# Altium PCB DC_DC_Buck_Controlled_PCB.PcbDoc (part 2 of 2)
Units mil, origin at the board's own origin, x right, y up, seen from the top; angles counter-clockwise.
Board outline 7880.45 x 7885.44 mil, 4 copper layers (Top Layer, Power, GND, Bottom Layer), stack 23.756 mil thick; 187 components, 75 nets, 547 pads, 165 vias.
Unrouted connection lines stored in the file: 1.
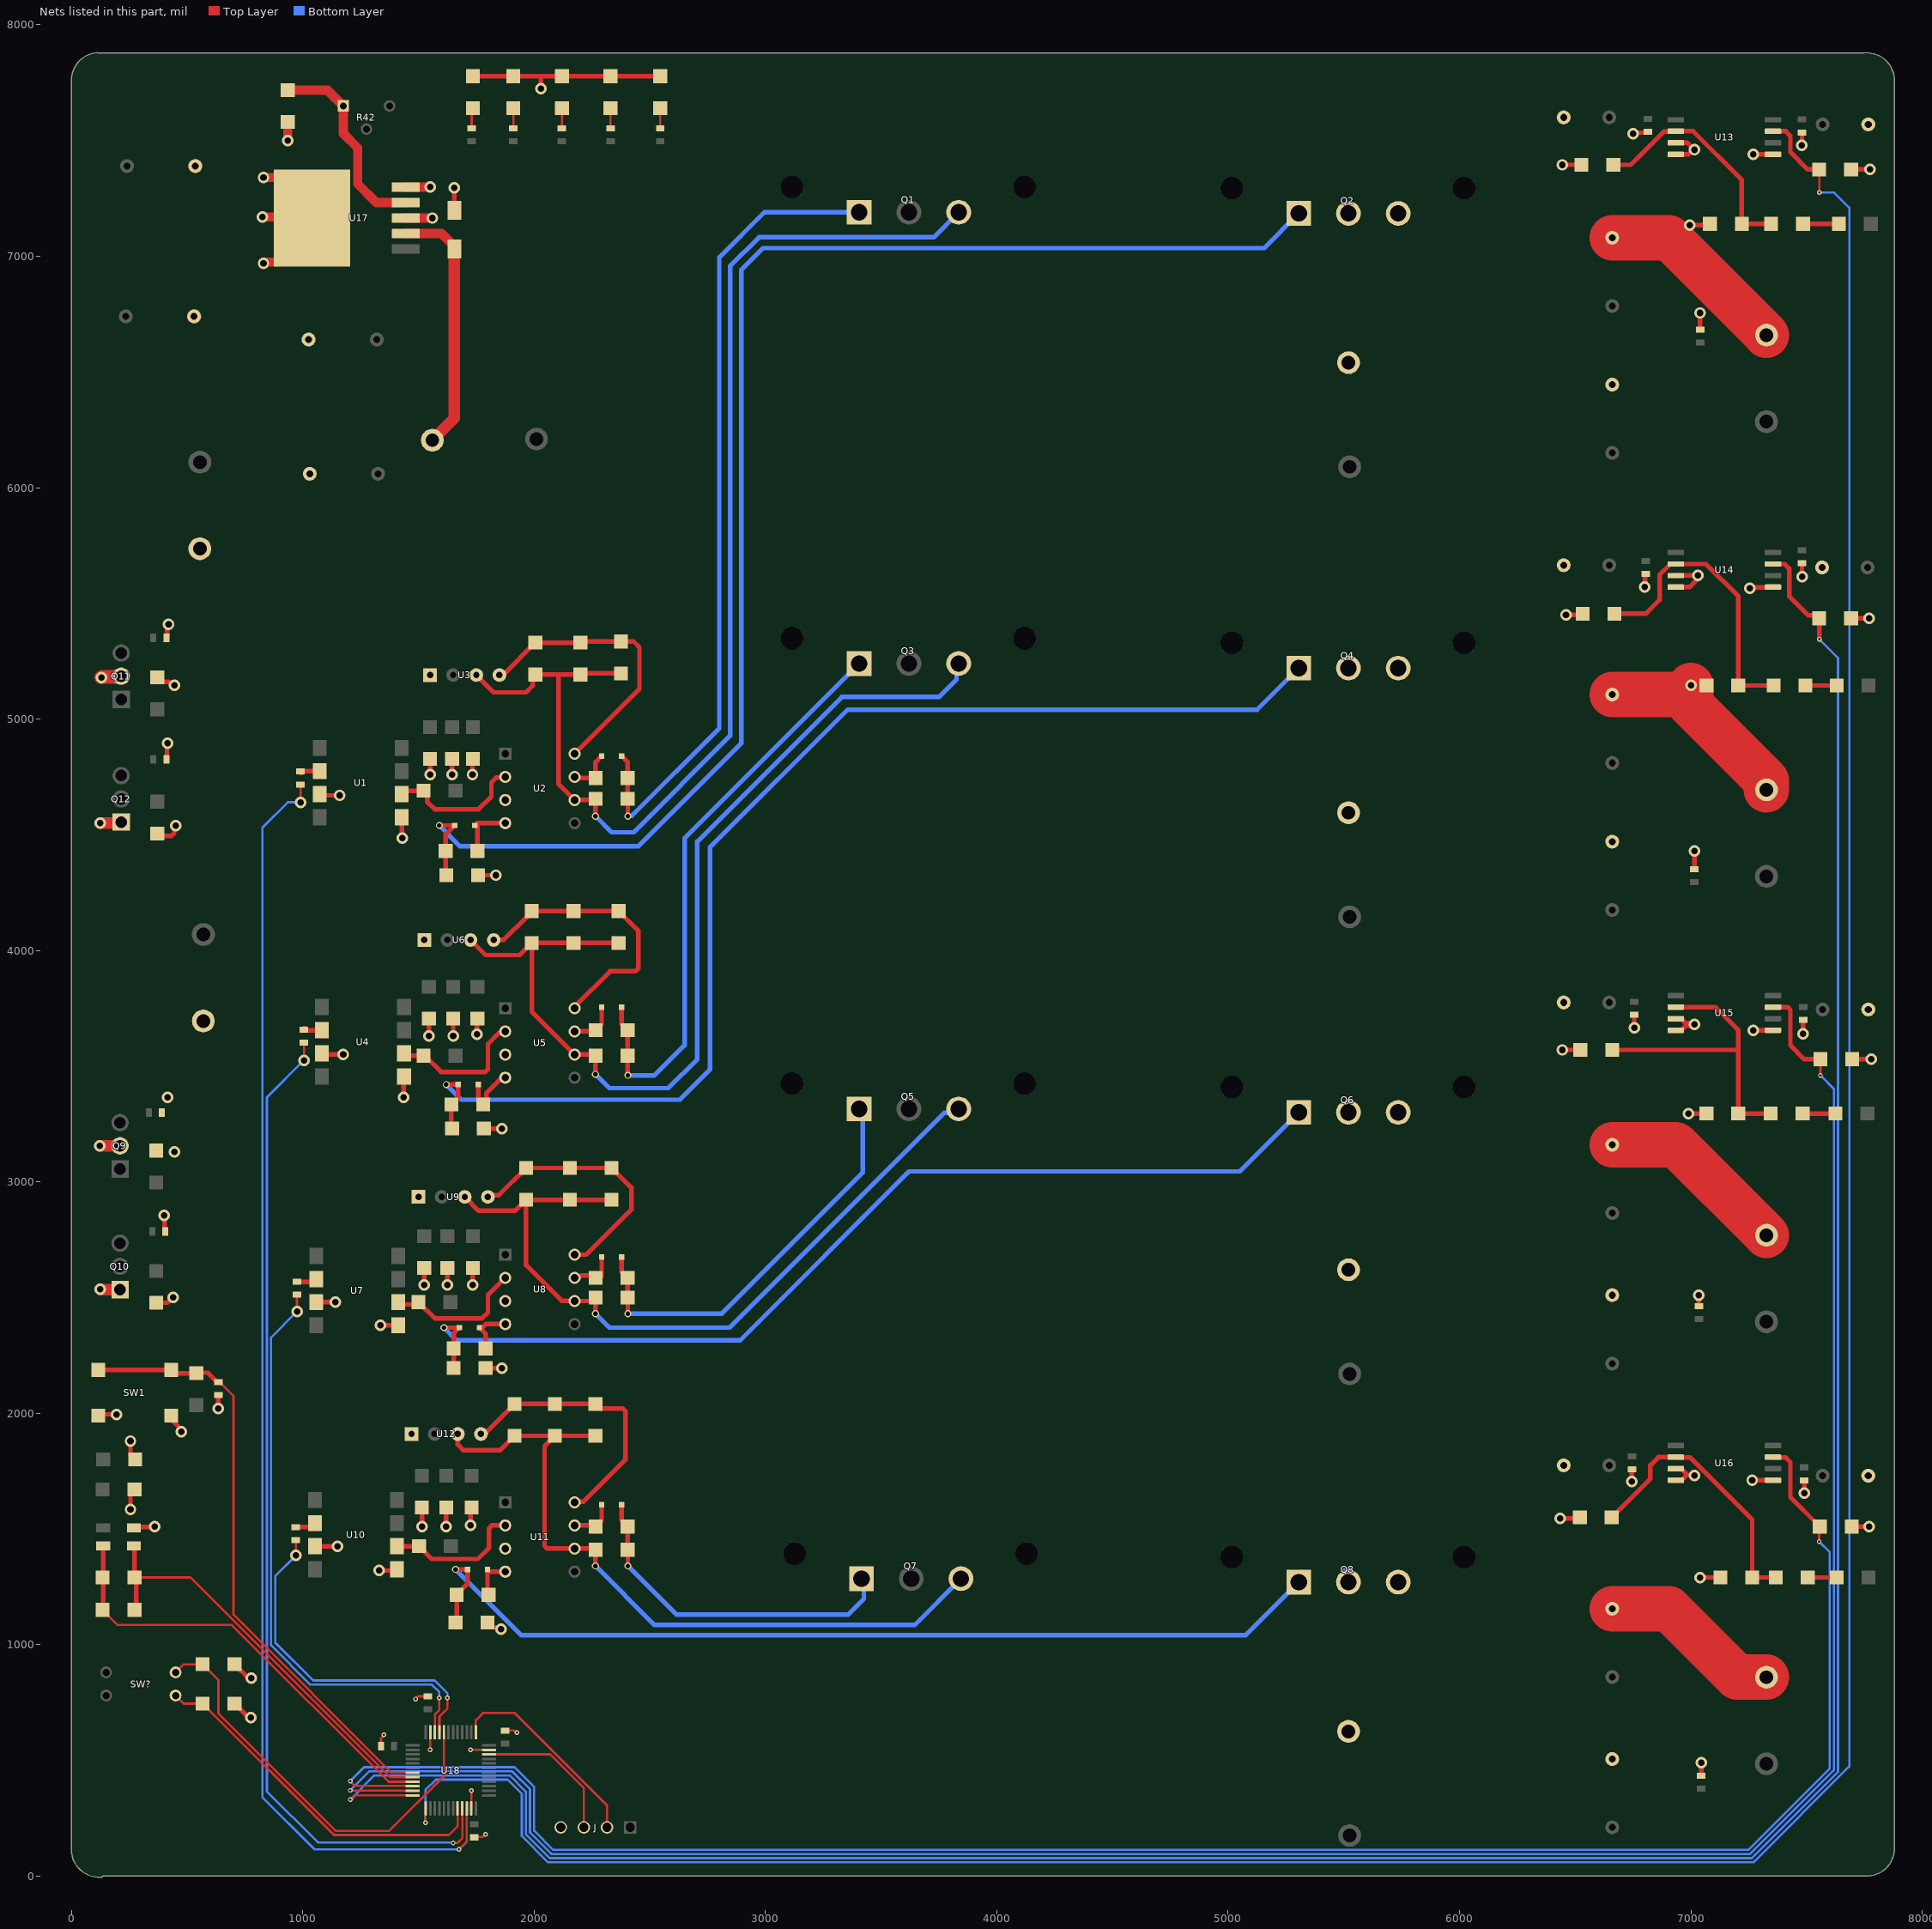
[diagram p4: the nets of this part, all layers, seen from the top]

## Via types
v1: diameter 50, hole 28, Top Layer to Bottom Layer, 130 vias
v2: diameter 20, hole 10, Top Layer to Bottom Layer, 23 vias
v3: diameter 30, hole 20, Top Layer to Bottom Layer, 12 vias

## Nets (pads, with @x,y where several pads share a name; then routed paths per layer and width w, separated by ;. In a path a pad name is that pad's centre, name@x,y a point inside that pad or via, vN(x,y) a via of type N, cw(c..) or ccw(c..) an arc to the next point about the centre after c; other vN are vias at no path point) (continued)
BOOT0: R45.2 SW?.2 U18.44 | length 1845.8
  Top Layer w10: SW?.2@450,880 485,915 R45.2@567.2,915 635,847.2 635,702.48 1142.48,195 1374.35,195 1610.04,430.69 U18.44@1610.04,621.3
BOOT1: R46.2 SW?.1 U18.20 | length 1561.7
  Top Layer w10: SW?.1@450,780 485,745 R46.2@567.2,745 1135.08,177.13 1631.27,177.13 1669.09,214.95 U18.20@1669.09,292.17
Feedback: R42.1 R43.1 U17.4 | length 882.5
  Top Layer w20: R43.1@935,7717.8 R43.1@942.2,7725
  Top Layer w40: R43.1@935,7717.8 1106.61,7717.8 R42.1@1175,7649.41 1175,7530 1237.13,7467.87 1237.13,7312.87 1317.99,7232.01 U17.4@1445.32,7232.01
GND: C1.2 C2.2 C3.1 C4.2 C5.2 C6.1 C7.2 C8.2 C9.1 C10.2 C11.2 C12.1 C13.1 C14.1 C15.1 C19.1 C20.1 C21.1 C25.1 C26.1 C27.1 C31.1 C32.1 C33.1 C37.1 C38.1 C42.1 C43.1 C44.1 C48.1 C49.1 C50.1 C54.1 C55.1 C56.1 C60.1 C65.2 C66.2 C67.2 C68.2 C78.1 C79.1 C80.1 C81.1 D9.A J1.2 J2.2 J3.2 J4.2 J5.2 LED1.1 LED2.1 LED3.1 LED4.1 LED5.1 Q2.3 Q4.3 Q6.3 Q8.3 Q11.2 Q12.1 R11.1 R17.1 R23.1 R29.1 R32.1 R35.1 R38.1 R41.1 R43.2 U1.5 U2.3 U3.1 U4.5 U5.3 U6.1 U7.5 U8.3 U9.1 U10.5 U11.3 U12.1 U13.3 U13.4 U14.3 U14.4 U15.3 U15.4 U16.3 U16.4 U17.3 U17.5 U17.6 | length 9273.3
  Top Layer w20: C81.1@371,4505 381,4495 432.54,4495 444.26,4506.72 444.26,4534.26 v1(450,4540) ; C79.1@371,5180 391,5160 421.88,5160 436.88,5145 v1(445,5145) ; C80.1@410,4825 410,4831 412.5,4833.5 412.5,4892.5 v1(415,4895) ; C78.1@410,5350 413,5353 413,5394.88 420,5401.88 v1(420,5410) ; v1(1330,1320) 1402.36,1320 U10.5@1407.36,1325 ; v1(1335,2380) U7.5@1412.36,2380 ; U1.5@1427.36,4575 1428.68,4573.68 1428.68,4486.32 v1(1430,4485) ; v1(1435,3365) 1436.18,3366.18 1436.18,3453.82 U4.5@1437.36,3455 ; U17.3@1445.32,7165 U17.3@1447.82,7167.5 ; v1(1515,1510) C31.1@1515,1592.2 ; v1(1525,2555) C25.1@1525,2627.2 ; v1(1545,3630) C21.1@1545,3705 ; v1(1550,4760) C14.1@1550,4827.2 ; U3.1@1550,5190 U3.1@1552.5,5192.5 ; v1(1620,1510) C32.1@1620,1592.2 ; v1(1625,2555) C26.1@1625,2627.2 ; v1(1645,4760) C15.1@1645,4827.2 ; v1(1650,3630) C20.1@1650,3705 ; D9.A@1655,7198.86 v1(1655,7295) ; v1(1724.68,1515.32) 1724.68,1586.89 C33.1@1730,1592.2 ; v1(1733.41,4760.4) 1733.41,4825.61 C13.1@1735,4827.2 ; v1(1735,2555) C27.1@1735,2627.2 ; LED5.1@1735,7777.8 LED4.1@1910,7777.8 2025,7777.8 ; v1(1752.18,3637.82) 1752.18,3702.18 C19.1@1755,3705 ; R11.1@1757.8,4325 v1(1835,4325) ; R17.1@1782.8,3230 v1(1860,3230) ; R23.1@1790,2195 v1(1860,2195) ; R29.1@1797.8,1095 1817.8,1075 1841.25,1075 1849.07,1067.18 v1(1857.18,1067.18) ; U11.3@1868.75,1408.75 U11.3@1875,1415 ; U5.3@1875,3550 U5.3@1877.5,3547.5 ; v1(2030,7725) 2030,7772.8 2025,7777.8 ; LED1.1@2545,7777.8 LED2.1@2330,7777.8 LED3.1@2120,7777.8 2025,7777.8 ; v1(6435,1545) 6515,1545 C60.1@6520,1550 ; v1(6445,3570) C54.1@6522.2,3570 ; v1(6445,7395) C42.1@6527.2,7395 ; v1(6460,5450) 6527.2,5450 C48.1@6532.2,5455 ; v1(6745,1705) C55.1@6745,1757 ; v1(6750,7530) 6754,7534 6812,7534 C37.1@6815,7537 ; v1(6755,3665) C49.1@6755,3722 ; v1(6800,5570) 6802.5,5572.5 C43.1@6802.5,5617.5 ; U16.4@6935.16,1710 6958.78,1710 6983.04,1734.26 6983.04,1735.74 6958.78,1760 U16.3@6935.16,1760 ; U15.4@6935.16,3655 6958.78,3655 6978.04,3674.26 7009.26,3674.26 v1(7015,3680) 7009.26,3685.74 6978.04,3685.74 6958.78,3705 U15.3@6935.16,3705 ; U13.4@6935.16,7440 6989.43,7440 7009.43,7460 v1(7015,7460) 6984.05,7490.95 6936.11,7490.95 U13.3@6935.16,7490 ; U14.4@6935.31,5570 6995,5570 7024.26,5599.26 7024.26,5614.26 v1(7030,5620) U14.3@6935.31,5620 ; v1(6990,3295) R38.1@7067.2,3295 ; v1(6995,7135) 7077.2,7135 R32.1@7082.2,7140 ; v1(7000,5145) R35.1@7067.2,5145 ; C6.1@7015,4351 v1(7015,4430) ; v1(7034.5,2510.5) 7034.75,2510.25 7034.75,2463.25 C9.1@7035,2463 ; v1(7040,1290) R41.1@7127.2,1290 ; C3.1@7040,6683 v1(7040,6755) ; v1(7044.5,490.5) 7044.75,490.25 7044.75,433.25 C12.1@7045,433
  Top Layer w40: v1(825,7170) 1034.61,7170 U17.6@1039.61,7165 ; v1(830,6970) 832.71,6970 837.86,6975.16 894.65,6975.16 1039.61,7120.12 U17.6@1039.61,7165 ; v1(830,7340) 894.65,7340 1039.61,7195.04 U17.6@1039.61,7165 ; v1(935,7500) R43.2@935,7580 ; U17.3@1445.32,7165 v1(1560,7165) ; U17.5@1445.32,7299.02 1549.02,7299.02 v1(1550,7300)
  Top Layer w50: v1(125,4550) 210.39,4550 Q12.1@215,4554.61
  Top Layer w60: v1(130,5180) 132.13,5182.13 212.13,5182.13 Q11.2@215,5185 ; C67.2@530,6739.72 C67.2@530.28,6740 ; C68.2@535,7389.72 C68.2@535.28,7390
  Top Layer w196.85: C11.2@6660,1155.28 6904.72,1155.28 7200.98,859.02 J4.2@7326.85,859.02 ; C7.2@6660,3160.28 6935.59,3160.28 J3.2@7326.85,2769.02 ; C4.2@6660,5105.28 6915.59,5105.28 ; C1.2@6660,7080.28 6905.59,7080.28 J1.2@7326.85,6659.02 ; v1(7000,5145) 7000,5060 7326.85,4733.15 J2.2@7326.85,4694.02
  other v1: 7015,1730
GND_A: C76.1 C77.1 L7.2 U18.8 | length 1843.1
  Top Layer w10: C77.1@272.8,1150 C77.1@280,1157.2 ; C76.1@272.8,1290 280,1290 287.8,1290 515,1290 1377.8,427.2 U18.8@1475,427.2
  Top Layer w20: L7.2@265,1426.26 272.8,1418.46 C76.1@272.8,1290 ; C77.1@280,1157.2 C76.1@280,1280 ; C76.1@280,1287.8 C76.1@287.8,1280
GND_C: C39.1 C40.1 C41.1 C45.1 C46.1 C47.1 C51.1 C52.1 C53.1 C57.1 C58.1 C59.1 C61.1 C62.1 C63.1 C64.1 C69.1 C70.1 C71.1 C72.1 C73.1 C74.1 C75.1 J6.2 J.04 L7.1 Q9.2 Q10.1 R45.1 R46.1 SW1.3 SW1.4 U1.3 U4.3 U7.3 U10.3 U13.5 U14.5 U15.5 U16.5 U18.23 U18.35 U18.47 | length 2755.3
  Top Layer w10: C70.1@1338.19,561.19 1338.19,595.49 1350,607.29 v2(1350,610) ; v2(1487.71,765) 1498.71,776 C69.1@1540,776 ; v2(1550,545) 1550.98,545.98 U18.47@1550.98,621.3 ; v2@1725,545 v2(1725.16,545.16) 1803.98,545.16 U18.35@1804.13,545.32 ; U18.23@1728.15,292.17 1728.66,292.68 v2(1728.66,368.66) ; C72.1@1740,167 1741.5,168.5 1775.79,168.5 1787.29,180 v2(1790,180) ; C71.1@1875,628 1876,629 1913.29,629 1922.29,620 v2(1925,620)
  Top Layer w20: SW1.3@105.04,1995 v1(195,1995) ; v1(255,1585) 255,1652.2 C75.1@272.8,1670 ; v1(255,1880) 255,1820 C74.1@275,1800 ; L7.1@269.69,1505 L7.1@280,1505 ; L7.1@270,1505 272.5,1507.5 357.5,1507.5 v1(360,1510) ; C64.1@366,2477.2 414.43,2477.2 437.22,2500 v1(440,2500) ; v1(400,2855) 402.5,2852.5 402.5,2787.5 C63.1@405,2785 ; SW1.4@415,1990 469.26,1935.74 469.26,1925.74 v1(475,1920) ; v1(635,2020) C73.1@635,2079 ; R46.1@705,745 759.26,690.74 769.26,690.74 v1(775,685) ; R45.1@715,905 759.26,860.74 771.39,860.74 v1(777.13,855) ; U10.3@1052.64,1425 v1(1150,1425) ; U7.3@1057.64,2480 v1(1140,2480) ; U1.3@1072.64,4675 1077.64,4670 v1(1160,4670) ; U4.3@1082.64,3555 1087.64,3550 v1(1175,3550) ; v1(7255,5565) 7258.19,5568.19 7353.19,5568.19 U14.5@7355,5570 ; v1(7265,1710) U16.5@7354.84,1710 ; v1(7270,3655) U15.5@7354.84,3655 ; v1(7270,7440) U13.5@7354.84,7440 ; C45.1@7480,5674 7480.16,5673.84 7480.16,5615.47 v1(7480.32,5615.32) ; v1(7480,7480) C39.1@7480,7535 ; v1(7485,3640) C51.1@7485,3699 ; v1(7490,1655) C57.1@7490,1710 ; C47.1@7692.8,5435 v1(7770,5435) ; C41.1@7692.8,7375 v1(7775,7375) ; C59.1@7695,1510 v1(7770,1510) ; C53.1@7697.8,3530 v1(7780,3530)
  Top Layer w50: v1(122.5,3155.39) Q9.2@210,3155.39 ; v1(125,2535) 125.79,2534.21 Q10.1@210,2534.21
  other v1: 445,3130 415,3365
HO1: D1.C R8.1 U2.7 | length 253.6
  Top Layer w20: U2.7@2175,4750 2180,4745 R8.1@2265,4745 ; R8.1@2265,4725 R8.1@2265,4745 ; 2266.1,4779.41 R8.1@2266.1,4745 R8.1@2265,4745 ; D1.C@2291.69,4840 2265,4813.31 R8.1@2265,4745
HO2: D3.C R14.1 U5.7 | length 203.8
  Top Layer w20: U5.7@2175,3650 2261.1,3650 R14.1@2266.1,3655 2291.69,3680.59 D3.C@2291.69,3755
HO3: D5.C R20.1 U8.7 | length 200
  Top Layer w20: U8.7@2175,2585 2181.25,2591.25 2199.31,2591.25 2203.05,2595 2256.1,2595 R20.1@2266.1,2585 ; R20.1@2266.1,2565 2291.69,2590.59 2291.69,2655
HO4: D7.C R26.1 U11.7 | length 198.8
  Top Layer w20: U11.7@2175,1515 2261.1,1515 R26.1@2266.1,1510 2291.69,1535.59 D7.C@2291.69,1605
LO1: D2.C R9.1 U2.4 | length 242.4
  Top Layer w20: R9.1@1755,4430 1755,4548.31 1753.31,4550 U2.4@1875,4550
LO2: D4.C R15.1 U5.4 | length 257.1
  Top Layer w20: D4.C@1758.31,3420 1758.31,3356.69 R15.1@1780,3335 1793.28,3348.28 1793.28,3383.28 1853.75,3443.75 1868.75,3443.75 U5.4@1875,3450
LO3: D6.C R21.1 U8.4 | length 219
  Top Layer w20: R21.1@1790,2280 1790,2343.31 D6.C@1763.31,2370 1765.12,2371.81 1777.94,2371.81 1791.13,2385 U8.4@1875,2385
LO4: D8.C R27.1 U11.4 | length 192.7
  Top Layer w20: R27.1@1802.8,1215 1798.31,1219.49 D8.C@1798.31,1325 1808.31,1315 U11.4@1875,1315
NetC41_2: C41.2 U13.7 U18.13 | length 14106.5
  Top Layer w10: v2(1530,230) 1530.79,230.79 1530.79,291.65 U18.13@1531.3,292.17 ; v2(7555,7275) C41.2@7555,7375
  Top Layer w20: U13.7@7354.84,7540 7410,7540 7430,7520 7430,7450 7505,7375 C41.2@7555,7375
  Bottom Layer w10: v2(1530,230) 1530,371.38 1575,416.38 1885,416.38 1946.38,355 1946.38,172.79 2059.88,59.29 7270.12,59.29 7685,474.17 7685,7210 7620,7275 v2(7555,7275)
NetC42_2: C42.2 R30.1 R32.2 U13.2 | length 1019.3
  Top Layer w20: C42.2@6665,7395 6740,7395 6883.19,7538.19 6933.35,7538.19 U13.2@6935.16,7540 7010,7540 7220,7330 R32.2@7220,7140 R30.1@7347.2,7140
NetC47_2: C47.2 U14.7 U18.12 | length 12543.1
  Top Layer w10: v2@1210,330 1228.46,348.46 U18.12@1475,348.46
  Top Layer w20: U14.7@7355,5670 7405,5670 7425,5650 7425,5530 7506.72,5448.28 7541.72,5448.28 C47.2@7555,5435 7555,5420 v2(7555,5345)
  Bottom Layer w10: v2(1205,330) 1309.25,434.25 1895,434.25 1964.25,365 1964.25,180.19 2067.28,77.17 7262.72,77.17 7635.75,450.19 7635.75,5264.25 v2(7555,5345)
NetC48_2: C48.2 R33.1 R35.2 U14.2 | length 1282.7
  Top Layer w20: C48.2@6670,5455 6805,5455 6865,5515 6865,5623.31 6911.69,5670 U14.2@6935.31,5670 7065,5670 7205,5530 R35.2@7205,5145 R33.1@7357.2,5145
NetC53_2: C53.2 U15.7 U18.11 | length 10610
  Top Layer w10: v2(1205,370) 1206.34,368.66 1474.49,368.66 U18.11@1475,368.15 ; v2(7560,3460) C53.2@7560,3530
  Top Layer w20: U15.7@7354.84,3755 7418.28,3755 7430,3743.28 7430,3590 7490,3530 C53.2@7560,3530
  Bottom Layer w10: v2(1205,370) 1287.13,452.13 1905,452.13 1982.13,375 1982.13,187.6 2074.68,95.04 7255.32,95.04 7617.87,457.6 7617.87,3402.13 v2(7560,3460)
NetC54_2: C54.2 R36.1 R38.2 U15.2 | length 1356.3
  Top Layer w20: C54.2@6660,3570 7205,3570 ; U15.2@6935.16,3755 7105,3755 7205,3655 7205,3570 ; R36.1@7345,3295 R38.2@7205,3295 7205,3570
NetC59_2: C59.2 U16.7 U18.10 | length 8584.4
  Top Layer w10: v2(1205,410) 1225.87,389.13 1446.17,389.13 1446.95,388.35 1474.49,388.35 U18.10@1475,387.83 ; v2(7554.25,1445) 7554.25,1507.05 C59.2@7557.2,1510
  Top Layer w20: U16.7@7354.84,1810 7356.65,1808.19 7410.1,1808.19 7430,1788.28 7430,1637.2 C59.2@7557.2,1510
  Bottom Layer w10: v2(1205,410) 1265,470 1915,470 2000,385 2000,195 2082.09,112.91 7247.91,112.91 7600,465 7600,1399.25 v2(7554.25,1445)
NetC60_2: C60.2 R39.1 R41.2 U16.2 | length 1213.2
  Top Layer w20: C60.2@6657.8,1550 6825,1717.2 6825,1775 6860,1810 U16.2@6935.16,1810 6936.97,1808.19 6997.44,1808.19 7265,1540.63 R41.2@7265,1290 R39.1@7367.2,1290
NetD1_A: D1.A Q1.1 R8.2 R10.2 | length 3544.3
  Top Layer w20: D1.A@2378.31,4840 2403.9,4814.41 R8.2@2403.9,4745 R10.2@2403.9,4655 2405,4653.9 v3(2405,4580)
  Bottom Layer w20: v3(2405,4580) 2406.91,4581.91 2421.91,4581.91 2800,4960 2800,6995 2995,7190 Q1.1@3405.08,7190
NetD2_A: D2.A Q2.1 R9.2 R11.2 | length 6382.3
  Top Layer w20: v3(1590,4540) D2.A@1656.69,4540 1617.2,4500.51 R9.2@1617.2,4430 1617.2,4327.8 R11.2@1620,4325
  Bottom Layer w20: v3(1590,4540) 1680,4450 2450,4450 2895,4895 2895,6940 2990,7035 5155.04,7035 Q2.1@5305.04,7185
NetD3_A: D3.A Q3.1 R14.2 R16.2 | length 2567.7
  Top Layer w20: D3.A@2378.31,3755 2378.31,3680.59 R14.2@2403.9,3655 R16.2@2403.9,3545 2403.9,3461.1 v3(2405,3460)
  Bottom Layer w20: v3(2405,3460) 2520,3460 2650,3590 2650,4484.92 Q3.1@3405.08,5240
NetD4_A: D4.A Q4.1 R15.2 R17.2 | length 5301.9
  Top Layer w20: v3(1620,3420) D4.A@1671.69,3420 1671.69,3364.49 R15.2@1642.2,3335 1642.2,3232.8 R17.2@1645,3230
  Bottom Layer w20: v3(1620,3420) 1685,3355 2630,3355 2760,3485 2760,4445 3355,5040 5125.04,5040 Q4.1@5305.04,5220
NetD5_A: D5.A Q5.1 R20.2 R22.2 | length 1804.9
  Top Layer w20: D5.A@2378.31,2675 2378.31,2610.59 R20.2@2403.9,2585 R22.2@2403.9,2500 2405,2498.9 v3(2405,2430)
  Bottom Layer w20: v3(2405,2430) 2810,2430 3420,3040 3420,3300.08 Q5.1@3405.08,3315
NetD6_A: D6.A Q6.1 R21.2 R23.2 | length 4377.7
  Top Layer w20: v3(1610,2370) D6.A@1676.69,2370 1652.2,2345.51 R21.2@1652.2,2280 R23.2@1652.2,2195
  Bottom Layer w20: v3(1610,2370) 1665,2315 2890,2315 3620,3045 5050.04,3045 Q6.1@5305.04,3300
NetD7_A: D7.A Q7.1 R26.2 R28.2 | length 1503.1
  Top Layer w20: D7.A@2378.31,1605 2378.31,1535.59 R26.2@2403.9,1510 R28.2@2403.9,1410 2405,1408.9 v3(2405,1340)
  Bottom Layer w20: v3(2405,1340) 2615,1130 3358.28,1130 3425,1196.72 3425,1275 Q7.1@3415,1285
NetD8_A: D8.A Q8.1 R27.2 R29.2 | length 4161.5
  Top Layer w20: R29.2@1660,1095 1665,1100 R27.2@1665,1215 1711.69,1261.69 D8.A@1711.69,1325 v3(1660,1325)
  Bottom Layer w20: v3(1660,1325) 1945,1040 5075.04,1040 Q8.1@5305.04,1270
NetD9_C: D9.C L5.1 U17.2 | length 1109.7
  Top Layer w20: D9.C@1655,7031.14 D9.C@1655,7042.76
  Top Layer w40: U17.2@1445.32,7097.99 1599.76,7097.99 D9.C@1655,7042.76
  Top Layer w50: L5.1@1560,6205 1655,6300 D9.C@1655,7031.14
NetLED1_2: LED1.2 R1.1 | length 89.1
  Top Layer w10: LED1.2@2545,7640 2545,7558 R1.1@2550,7553
NetLED2_2: LED2.2 R2.1 | length 89.1
  Top Layer w10: LED2.2@2330,7640 2330,7558 R2.1@2335,7553
NetLED3_2: LED3.2 R3.1 | length 87
  Top Layer w10: R3.1@2120,7553 LED3.2@2120,7640
NetLED4_2: LED4.2 R4.1 | length 87
  Top Layer w10: R4.1@1910,7553 LED4.2@1910,7640
NetLED5_2: LED5.2 R5.1 | length 89.1
  Top Layer w10: R5.1@1730,7553 1730,7635 LED5.2@1735,7640
NetR6_1: R6.1 U18.22 | length 5611.8
  Top Layer w10: v1(990,4640) R6.1@990,4717 ; v2(1675,115) 1708.46,148.46 U18.22@1708.46,292.17
  Bottom Layer w10: v1(990,4640) 935,4640 825,4530 825,340 1050,115 v2(1675,115)
NetR6_2: R6.2 U1.2 | length 85.5
  Top Layer w20: R6.2@990,4768 995.5,4768 1002.5,4775 U1.2@1072.64,4775
NetR7_1: R7.1 U1.6 U2.2 | length 599
  Top Layer w20: U1.6@1427.36,4675 1442.36,4690 R7.1@1522.2,4690 1537.32,4674.89 1537.32,4642.68 1570,4610 1760,4610 1815,4665 1815,4725 1837.66,4747.66 1872.66,4747.66 U2.2@1875,4750
NetR12_1: R12.1 U18.21 | length 4377
  Top Layer w10: v1(1005,3525) R12.1@1005,3602 ; v2(1650,142.87) 1667.87,142.87 1690,165 1690,260 1689.29,260.71 1689.29,291.65 U18.21@1688.78,292.17
  Bottom Layer w10: v1(1005,3525) 845,3365 845,365.28 1065.28,145 1647.87,145 v2(1650,142.87)
NetR12_2: R12.2 U4.2 | length 81
  Top Layer w20: R12.2@1005,3663 1010.5,3663 1018.5,3655 U4.2@1082.64,3655
NetR13_1: R13.1 U4.6 U5.2 | length 606.7
  Top Layer w20: U4.6@1437.36,3555 1447.36,3545 1527.2,3545 1597.2,3475 1788.28,3475 1800,3486.72 1800,3595 1848.75,3643.75 1868.75,3643.75 U5.2@1875,3650
NetR18_1: R18.1 U18.46 | length 2553.9
  Top Layer w10: v1(975,2440) R18.1@975,2512 ; U18.46@1570.67,621.3 1570.67,697.49 1590,716.82 v2(1590,770)
  Bottom Layer w10: v1(975,2440) 862.87,2327.87 862.87,997.13 1032.87,827.13 1557.87,827.13 1590,795 v2(1590,770)
NetR18_2: R18.2 U7.2 | length 87.6
  Top Layer w20: R18.2@975,2568 1045.64,2568 U7.2@1057.64,2580
NetR19_1: R19.1 U7.6 U8.2 | length 609.4
  Top Layer w20: U7.6@1412.36,2480 1422.36,2470 R19.1@1497.2,2470 ; R19.1@1500,2480 1570,2410 1775,2410 1800,2435 1800,2510 U8.2@1875,2585
NetR24_1: R24.1 U18.45 | length 1497.8
  Top Layer w10: v1(970,1385) R24.1@970,1452 ; U18.45@1590.35,621.3 1590.35,689.83 1625,724.47 v2(1625,770)
  Bottom Layer w10: v1(970,1385) 880.75,1295.75 880.75,1009.25 1045,845 1570,845 1625,790 v2(1625,770)
NetR24_2: R24.2 U10.2 | length 89.7
  Top Layer w20: R24.2@970,1508 1035.64,1508 U10.2@1052.64,1525
NetR25_1: R25.1 U10.6 U11.2 | length 600.2
  Top Layer w20: U10.6@1407.36,1425 R25.1@1502.2,1425 1557.2,1370 1756.57,1370 1805,1418.43 1805,1503.28 1816.72,1515 U11.2@1875,1515
NetR30_2: R30.2 R31.1 | length 155.1
  Top Layer w20: R30.2@7485,7140 R31.1@7640.06,7140
NetR33_2: R33.2 R34.1 | length 135
  Top Layer w20: R33.2@7495,5145 R34.1@7630,5145
NetR36_2: R36.2 R37.1 | length 142.3
  Top Layer w20: R36.2@7482.8,3295 R37.1@7625.06,3295
NetR39_2: R39.2 R40.1 | length 125.1
  Top Layer w20: R39.2@7505,1290 R40.1@7630.06,1290
Reset: C73.2 R44.1 SW1.1 SW1.2 U18.7 | length 2651.2
  Top Layer w10: C73.2@635,2135 640.5,2135 700.14,2075.36 700.14,1130.14 1383.39,446.89 U18.7@1475,446.89
  Top Layer w20: SW1.1@100.04,2186.85 415,2186.85 429.06,2172.8 R44.1@540,2172.8 542.2,2175 589.5,2175 629.5,2135 C73.2@635,2135
SWCLK: J.02 U18.37 | length 892.9
  Top Layer w10: U18.37@1747.83,621.3 1747.83,672.83 1780,705 1915.28,705 2315,305.28 J.02@2315,210
SWDIO: J.03 U18.34 | length 641.2
  Top Layer w10: U18.34@1804.13,525.63 2069.37,525.63 2215,380 J.03@2215,210
V1+: C16.2 C17.2 C18.2 U2.8 U3.4 | length 1251.4
  Top Layer w20: U3.4@1850,5190 1857.47,5197.47 1872.47,5197.47 C16.2@2005,5330 C17.2@2200,5330 2205,5335 C18.2@2375,5335 2430,5335 2455,5310 2455,5130 U2.8@2175,4850
V1-: C16.1 C17.1 C18.1 L1.1 Q1.3 Q2.2 R10.1 U2.6 U3.3 | length 5355
  Top Layer w20: U3.3@1750,5190 1825,5115 1965,5115 1993.92,5143.92 1993.92,5181.13 C16.1@2005,5192.2 2105,5192.2 ; U2.6@2175,4650 2105,4720 2105,5192.2 ; U2.6@2176.1,4650 R10.1@2265,4650 ; v3(2265,4580) R10.1@2265,4650 ; R10.1@2266.1,4655 2265,4653.9 R10.1@2265,4650 ; R10.1@2274.7,4650 R10.1@2265,4650 ; C18.1@2375,5197.2 2205,5197.2 C17.1@2200,5192.2 2105,5192.2
  Bottom Layer w20: v3(2265,4580) 2334.57,4510.43 2430.43,4510.43 2847.21,4927.21 2847.21,6957.21 2972.22,7082.22 3727.22,7082.22 Q1.3@3835,7190
V2+: C22.2 C23.2 C24.2 U5.8 U6.4 | length 1226.7
  Top Layer w20: U6.4@1825,4045 1825.89,4045.89 1868.29,4045.89 1970,4147.6 1970,4150 C22.2@1990,4170 C23.2@2170,4170 C24.2@2365,4170 2450,4085 2450,3921.72 2438.28,3910 2328.37,3910 2175,3756.63 U5.8@2175,3750
V2-: C22.1 C23.1 C24.1 L2.1 Q3.3 Q4.2 R16.1 U5.6 U6.3 | length 4361.7
  Top Layer w20: U6.3@1725,4045 1790,3980 1937.8,3980 C22.1@1990,4032.2 ; v3(2265,3465) 2265,3543.9 R16.1@2266.1,3545 2261.1,3550 U5.6@2175,3550 1990,3735 C22.1@1990,4032.2 ; C24.1@2365,4032.2 C23.1@2170,4032.2 C22.1@1990,4032.2
  Bottom Layer w20: v3(2265,3465) 2325,3405 2580,3405 2705,3530 2705,4470 3330,5095 3750,5095 3826,5171 3826,5231 Q3.3@3835,5240
V3+: C28.2 C29.2 C30.2 U8.8 U9.4 | length 1127.8
  Top Layer w20: U9.4@1800,2935 1807.47,2942.47 1847.47,2942.47 C28.2@1965,3060 C29.2@2155,3060 C30.2@2335,3060 2420,2975 2420,2880 2225,2685 U8.8@2175,2685
V3-: C28.1 C29.1 C30.1 L3.1 Q5.3 Q6.2 R22.1 U8.6 U9.3 | length 3364.8
  Top Layer w20: U9.3@1700,2935 1760,2875 1917.8,2875 C28.1@1965,2922.2 ; v3(2265,2430) 2265,2481.1 2261.1,2485 U8.6@2175,2485 2173.66,2486.34 2118.66,2486.34 1965,2640 C28.1@1965,2922.2 ; C30.1@2335,2922.2 C29.1@2155,2922.2 C28.1@1965,2922.2
  Bottom Layer w20: v3(2265,2430) 2325,2370 2845,2370 3773.5,3298.5 3818.5,3298.5 Q5.3@3835,3315
V4+: C34.2 C35.2 C36.2 U11.8 U12.4 | length 1196.9
  Top Layer w20: U12.4@1770,1910 1777.47,1917.47 1792.47,1917.47 C35.2@1915,2040 C34.2@2090,2040 C36.2@2265,2040 2285,2020 2383.28,2020 2395,2008.28 2395,1800 2212.34,1617.34 2177.34,1617.34 U11.8@2175,1615
V4-: C34.1 C35.1 C36.1 L4.1 Q7.3 Q8.2 R28.1 U11.6 U12.3 | length 3295.6
  Top Layer w20: U12.3@1670,1910 1670,1865 1695,1840 1852.8,1840 C35.1@1915,1902.2 C34.1@2090,1902.2 ; v3(2265,1340) 2265,1408.9 R28.1@2266.1,1410 2261.1,1415 U11.6@2175,1415 2056.72,1415 2045,1426.72 2045,1857.2 C34.1@2090,1902.2 ; C36.1@2265,1902.2 C34.1@2090,1902.2
  Bottom Layer w20: v3(2265,1340) 2520,1085 3644.92,1085 Q7.3@3844.92,1285 ; 5503.37,1321.63 5503.37,1286.63 Q8.2@5520,1270
VDDA: C76.2 C77.2 L6.2 U18.9 | length 1913.2
  Top Layer w10: C77.2@135,1150 200,1085 693.56,1085 1371.26,407.3 U18.9@1463.48,407.3
  Top Layer w20: C77.2@135,1150 136.98,1151.98 L6.2@136.98,1426.26
pads on no net: Q1.0 Q1.4 Q2.0 Q2.4 Q3.0 Q3.4 Q4.0 Q4.4 Q5.0 Q5.4 Q6.0 Q6.4 Q7.0 Q7.4 Q8.0 Q8.4 R42.3 U1.1 U1.4 U1.7 U2.5 U4.1 U4.4 U4.7 U5.5 U7.1 U7.4 U7.7 U8.5 U10.1 U10.4 U10.7 U11.5 U13.6 U14.6 U15.6 U16.6 U18.2 U18.3 U18.4 U18.5 U18.6 U18.14 U18.15 U18.16 U18.17 U18.18 U18.19 U18.25 U18.26 U18.27 U18.28 U18.29 U18.30 U18.31 U18.32 U18.33 U18.38 U18.39 U18.40 U18.41 U18.42 U18.43

## Polygon pours and split planes (outlines as drawn)
GND on GND "GND_L03_P057" (solid, pour order 57): 9.8,4419.68 565.24,4419.68 565.24,4429.68 565.24,5109.68 1270.24,5109.68 1270.24,1019.68 2690.24,1019.68 2700.24,1009.68 2700.24,289.68 7150.24,289.68 7165.24,274.68 7180.24,289.68 7180.24,7844.68 4.8,7844.68
GND_C on GND "GND_C_L03_P058" (solid, pour order 58): 604.76,5064.68 1230.24,5064.68 1230.24,989.68 1240.24,979.68 1250.24,989.68 2655.24,989.68 2655.24,244.68 2660.24,249.68 7200.24,249.68 7200.24,7839.68 7195.24,7844.68 7845.24,7844.68 7845.24,34.68 7810.24,-0.32 5.24,-0.32 5.24,4374.68 604.76,4374.68
+12_ISO on Power "+12_ISO_L02_P007" (solid, pour order 7): 10,4380 810,4380 810,2695 20,2695 15,2690 10,2695 10,4375
+3.3_C on Power "+3.3_C_L02_P004" (solid, pour order 4): 15,2670 810,2670 810,990 840,990 2650,990 2650,250 7225,250 7225,7845 7840,7845 7840,15 2670,15 15,2670 15,15 2670,15
12V_4 on Power "12V_4_L02_P055" (solid, pour order 55): 6760,295.59 3768.9,295.59 3768.9,485.59 5653.9,485.59 5653.9,1005 6760,1005
+3.3 on Power "+3.3_L02_P056" (solid, pour order 56): 15,4420 810,4420 810,5450 145,5450 145,7730 150,7735 6810,7735 6810,1025 6825,1010 7175,1010 7175,7845 5,7845 5,4430 0,4425
12V_3 on Power "12V_3_L02_P054" (solid, pour order 54): 6775,1925 3763.9,1925 3763.9,2300.59 5648.9,2300.59 5648.9,3015 6775,3015
12V_2 on Power "12V_2_L02_P053" (solid, pour order 53): 6785,3955 3763.07,3955 3763.07,4274.27 5648.07,4274.27 5648.07,4955 6785,4955
12V_1 on Power "12V_1_L02_P052" (solid, pour order 52): 6785,5875 3760,5875 3760,6220.59 5648.9,6220.59 5648.9,6900 6785,6900
+15 on Power "+15_L02_P046" (solid, pour order 46): 840,6920 840,6935 2185,6935 2185,5475 2195,5465 2655,5465 2655,1020 840,1020 840,6885 840,6905
+48 on Power "+48_L02_P009" (solid, pour order 9): 805,5485 170,5485 165,5490 170,5495 170,7700 3685,7700 3685,290 2715,290 2715,5545 2250,5545 2250,6987.73 805,6992.89 805,5495
V4- on Power "V4-_L02_P038" (solid, pour order 38): 3760,1773.35 5595,1773.35 5595,545 3760,545
V3- on Power "V3-_L02_P036" (solid, pour order 36): 3760,3768.35 5595,3768.35 5595,2353.35 3760,2353.35
V2- on Power "V2-_L02_P032" (solid, pour order 32): 3760,5743.35 5595,5743.35 5595,4328.35 3760,4328.35
V1- on Power "V1-_L02_P014" (solid, pour order 14): 3760,7688.35 5595,7688.35 5595,6273.35 3760,6273.35
GND_C on Top Layer "GND_C_L01_P044" (solid, pour order 44): 600,5065.78 1225.48,5065.78 1225.48,990.78 1235.48,980.78 1245.48,990.78 2650.48,990.78 2650.48,245.78 2655.48,250.78 7195.48,250.78 7195.48,7840.78 7190.48,7845.78 7840.48,7845.78 7840.48,35.78 7805.48,0.78 0.48,0.78 0.48,4375.78 600,4375.78
12V_4 on Top Layer "12V_4_L01_P051" (solid, pour order 51): 6760,295 3765,295 3765,485 5650,485 5650,1005 6760,1005
12V_2 on Top Layer "12V_2_L01_P049" (solid, pour order 49): 6785,3955 3759.17,3955 3759.17,4273.68 5644.17,4273.68 5644.17,4945 6785,4945
12V_1 on Top Layer "12V_1_L01_P048" (solid, pour order 48): 6785,5875 3760,5875 3760,6220 5645,6220 5645,6895 6785,6895
12V_3 on Top Layer "12V_3_L01_P050" (solid, pour order 50): 6775,1925 3760,1925 3760,2300 5645,2300 5645,3015 6775,3015
+48 on Top Layer "+48_L01_P045" (solid, pour order 45): 805,5485 170,5485 165,5490 170,5495 170,7700 3685,7700 3685,290 2715,290 2715,5540 2245,5540 2245,6984.23 805,6989.38 805,5495
GND on Top Layer "GND_L01_P002" (solid, pour order 2): 840,6920 840,6935 2185,6935 2185,5475 2195,5465 2655,5465 2655,1020 840,1020 840,6885 840,6905
V4- on Top Layer "V4-_L01_P039" (solid, pour order 39): 3760,1773.25 5595,1773.25 5595,545 3760,545
V3- on Top Layer "V3-_L01_P037" (solid, pour order 37): 3760,3768.25 5595,3768.25 5595,2353.29 3760,2353.29
V2- on Top Layer "V2-_L01_P033" (solid, pour order 33): 3760,5743.25 5595,5743.25 5595,4328.29 3760,4328.29
V1- on Top Layer "V1-_L01_P026" (solid, pour order 26): 3760,7688.25 5595,7688.25 5595,6273.29 3760,6273.29
GND on Bottom Layer "GND_L04_P001" (solid, pour order 1): 5.04,4420 560,4420 560,4430 560,5110 1265,5110 1265,1020 2685,1020 2695,1010 2695,290 7145,290 7160,275 7175,290 7175,7845 0.04,7845
GND_C on Bottom Layer "GND_C_L04_P042" (solid, pour order 42): 605,5065 1225,5065 1225,990 1235,980 1245,990 2650,990 2650,245 2655,250 7195,250 7195,7840 7190,7845 7840,7845 7840,35 7805,0 0,0 5,4375 35,4375 605,4375

## Keep-outs
Keep-Out Layer:
  lines w10: 5,105 ccw(c120,115) 130,0 7770,0 ; 5.43,105.43 5.43,7750 cw(c120.43,7760) 110.43,7875 ; 109.45,7874.02 7749.4,7874.02 ; 7749.69,7873.73 cw(c7759.69,7758.73) 7874.69,7768.73 ; 7770,5 ccw(c7760,120) 7874.86,131.49 ; 7874.01,126.49 7874.01,7768.73

## Silkscreen, mask and mechanical layers (free items; w line width, h text height)
Top Overlay:
  text "48V" at 2593,7172 h60 r90
  text "12-4V" at 1773,7092 h60 r90
  text "12-2V" at 2163,7087 h60 r90
  text "12-1V" at 2368,7087 h60 r90
  text "12-3V" at 1943.36,7085.27 h60 r90
  text "BUCK CONVERTER 1" at 2778.18,6235 h120
  text "BUCK CONVERTER 2" at 2738.19,4378.62 h120
  text "BUCK CONVERTER 3" at 2738.19,2333.62 h120
  text "STM32F103C6" at 2095,862.02 h80
  text "BUCK CONVERTER 4" at 2738.19,448.62 h120
  text "DC-DC CONVERTER" at 102,422 h60
  text "48 - 12 Voltage" at 102,311.99 h60
  text "GND" at 2127,278 h30 r90
  text "SWDIO" at 2232,278 h30 r90
  text "SWCLK" at 2327,278 h30 r90
  text "+3.3V" at 2427,278 h30 r90
  text "Four CELLS" at 112,212 h60

## Text inside footprints (layer, text, board x,y; h text height)
C1: Top Overlay "-" at 6699.99,7215 h60 r90
C2: Top Overlay "-" at 6699.99,6579.72 h60 r90
C4: Top Overlay "-" at 6699.99,5240 h60 r90
C5: Top Overlay "-" at 6699.99,4604.72 h60 r90
C7: Top Overlay "-" at 6699.99,3295 h60 r90
C8: Top Overlay "-" at 6699.99,2644.72 h60 r90
C10: Top Overlay "-" at 6699.99,640 h60 r90
C11: Top Overlay "-" at 6699.99,1290 h60 r90
C65: Top Overlay "-" at 890.28,6679.99 h60 r180
C66: Top Overlay "-" at 895.28,6099.99 h60 r180
C67: Top Overlay "-" at 665,6700.01 h60
C68: Top Overlay "-" at 670,7375.01 h60
LED1: Top Overlay "-" at 2560.01,7802.8 h60 r270
LED2: Top Overlay "-" at 2345.01,7802.8 h60 r270
LED3: Top Overlay "-" at 2135.01,7802.8 h60 r270
LED4: Top Overlay "-" at 1925.01,7802.8 h60 r270
LED5: Top Overlay "-" at 1750.01,7802.8 h60 r270
SW?: Top Overlay "ON" at 229.13,748.5 h40 r90; Top Component Outline "2" at 410.24,865.43 h40 r90; Top Component Outline "ON" at 229.13,748.5 h40 r90; Top Component Outline "1" at 410.24,770.94 h40 r90